# Altium PCB VOU_SOM_CV_V0.0.1.PcbDoc (part 1 of 3)
Units mil, origin at the board's own origin, x right, y up, seen from the top; angles counter-clockwise.
Board outline 6000 x 4000 mil, 2 copper layers (Top Layer, Bottom Layer); 476 components, 641 nets, 2958 pads, 38 vias.
Unrouted connection lines stored in the file: 2178.
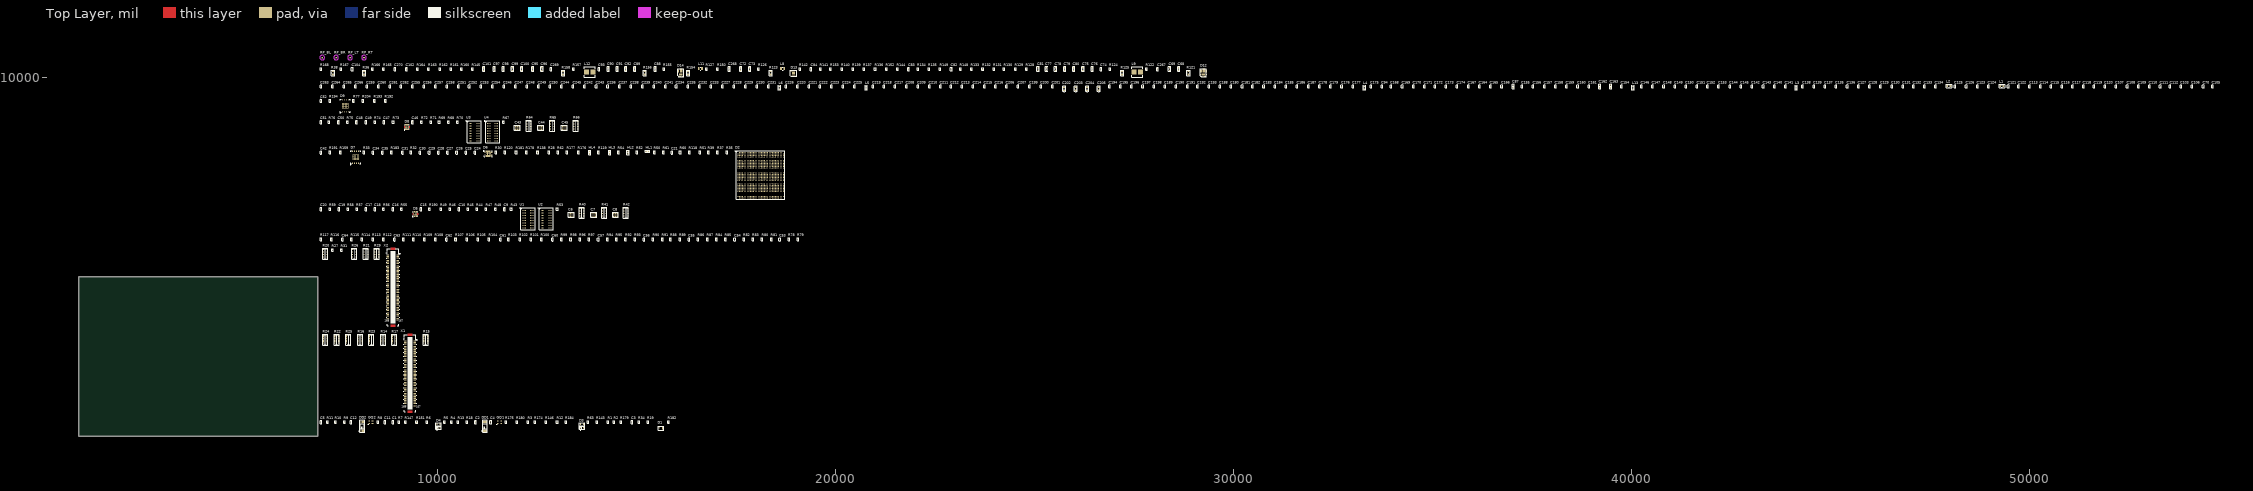
[diagram p0: Top Layer view]
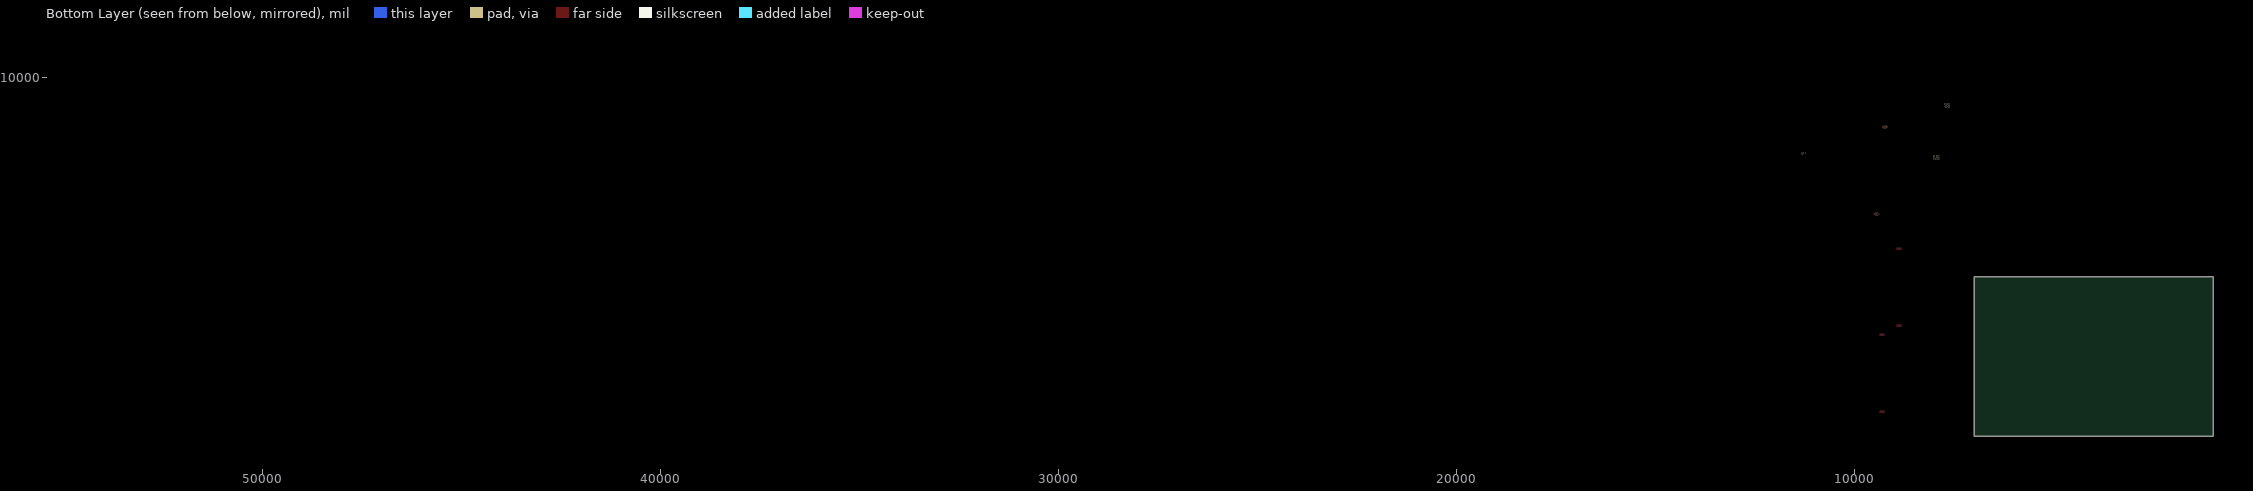
[diagram p1: Bottom Layer view, seen from below]

## Layer stack, top to bottom
Top Solder: solder mask 0.4, Solder Resist, Dk 3.5
Top Layer: signal copper 1.4
Dielectric 1: dielectric 12.6, FR-4, Dk 4.8
Bottom Layer: signal copper 1.4
Bottom Solder: solder mask 0.4, Solder Resist, Dk 3.5

## Board outline
1000,1000 7000,1000 7000,5000 1000,5000

## Design rules (kind name [scope] priority, off if disabled: settings)
Clearance [All] p1: gap=10
DiffPairsRouting [All] p1: maxlimit=10 minlimit=10 mostfreqgap=10 toplayer_minwidth=15 toplayer_maxwidth=15 toplayer_prefwidth=15 bottomlayer_minwidth=15 bottomlayer_maxwidth=15 bottomlayer_prefwidth=15 maxuncoupledlength=500
PolygonConnect [All] p1: connectstyle=Relief reliefconductorwidth=10 reliefentries=4 polygonreliefangle="90 Angle" airgapwidth=10
RoomDefinition VOU_SOM_CV_V0.0.1 [InComponentClass('VOU_SOM_CV_V0.0.1')] p1: confinementstyle=ConfineIn formatcopy=TRUE lockcomponents=FALSE outline 7045,10440 8410,10440 8410,10690 7045,10690
RoomDefinition SoC_pwr_2.SchDoc [InComponentClass('SoC_pwr_2.SchDoc')] p2: confinementstyle=ConfineIn formatcopy=TRUE lockcomponents=FALSE outline 7045,10005 29355,10005 29355,10390 7045,10390
RoomDefinition SoC_pwr_1.SchDoc [InComponentClass('SoC_pwr_1.SchDoc')] p3: confinementstyle=ConfineIn formatcopy=TRUE lockcomponents=FALSE outline 7045,9635 54815,9635 54815,9955 7045,9955
RoomDefinition HPS_IOs.SchDoc [InComponentClass('HPS_IOs.SchDoc')] p4: confinementstyle=ConfineIn formatcopy=TRUE lockcomponents=FALSE outline 7045,9105 8915,9105 8915,9590 7045,9590
RoomDefinition HPS_DDR3.SchDoc [InComponentClass('HPS_DDR3.SchDoc')] p5: confinementstyle=ConfineIn formatcopy=TRUE lockcomponents=FALSE outline 7045,8345 13600,8345 13600,9055 7045,9055
RoomDefinition FPGA_IOs.SchDoc [InComponentClass('FPGA_IOs.SchDoc')] p6: confinementstyle=ConfineIn formatcopy=TRUE lockcomponents=FALSE outline 7045,6915 18770,6915 18770,8295 7045,8295
RoomDefinition FPGA_DDR3&IO.SchDoc [InComponentClass('FPGA_DDR3&IO.SchDoc')] p7: confinementstyle=ConfineIn formatcopy=TRUE lockcomponents=FALSE outline 7045,6160 14860,6160 14860,6870 7045,6870
RoomDefinition DIMS_DSP_MainBoard_Interface.SchDoc [InComponentClass('DIMS_DSP_MainBoard_Interface.SchDoc')] p8: confinementstyle=ConfineIn formatcopy=TRUE lockcomponents=FALSE outline 7045,5890 19230,5890 19230,6110 7045,6110
RoomDefinition Conn_B.SchDoc [InComponentClass('Conn_B.SchDoc')] p9: confinementstyle=ConfineIn formatcopy=TRUE lockcomponents=FALSE outline 7045,3730 9110,3730 9110,5840 7045,5840
RoomDefinition Conn_A.SchDoc [InComponentClass('Conn_A.SchDoc')] p10: confinementstyle=ConfineIn formatcopy=TRUE lockcomponents=FALSE outline 7045,1570 9820,1570 9820,3680 7045,3680
RoomDefinition CLK_src&sys_logic.SchDoc [InComponentClass('CLK_src&sys_logic.SchDoc')] p11: confinementstyle=ConfineIn formatcopy=TRUE lockcomponents=FALSE outline 7045,1065 16025,1065 16025,1520 7045,1520
RoutingVias [All] p1: holewidth=28 width=50 viastyle="Through Hole" minholewidth=28 minwidth=50 maxholewidth=28 maxwidth=50
SolderMaskExpansion [All] p1: expansion=4
Width [All] p1: maxlimit=10 minlimit=10 preferedwidth=10
29 further rules are at their usual default settings.

## Classes and differential pairs
component class VOU_SOM_CV_V0.0.1: RP_BL RP_BR RP_LT RP_RT
component class SoC_pwr_2.SchDoc: C68 C69 C72 C73 C74 C75 C76 C77 C78 C79 C80 C81 C82 C83 C84 C88 C89 C90 C91 C92 C93 C95 C96 C97 C98 C99 C100 C101 C102 C104 C267 C268 C269 C270 D12 D13 D14 L8 L9 L11 L12 R36 R38 R121 R122 R123 R124 R125 R126 R127 R128 R129 R130 R131 R132 R133 R134 R135 R136 R137 R139 R140 R141 R142 R144 R145 R148 R149 R150 R152 R153 R154 R155 R156 R157 R158 R160 R161 R162 R163 R164 R165 R166 R167 R168
component class SoC_pwr_1.SchDoc: C70 C87 C94 C103 C105 C106 C107 C108 C109 C110 C111 C112 C113 C114 C115 C116 C117 C118 C119 C120 C121 C122 C123 C124 C125 C126 C127 C128 C129 C130 C131 C132 C133 C134 C135 C136 C137 C138 C139 C140 C141 C142 C143 C144 C145 C146 C147 C148 C149 C150 C151 C152 C153 C154 C155 C156 C157 C158 C159 C160 C161 C162 C163 C164 C165 C166 C167 C168 C169 C170 C171 C172 C173 C174 C175 C176 C177 C178 C179 C180 C181 C182 C183 C184 C185 C186 C187 C188 C189 C190 C191 C192 C193 C194 C195 C196 C197 C198 C199 C200 C201 C202 C203 C204 C205 C206 C207 C208 C209 C210 C211 C212 C213 C214 C215 C216 C217 C218 C219 C220 C221 C222 C223 C224 C225 C226 C227 C228 C229 C230 C231 C232 C233 C234 C235 C236 C237 C238 C239 C240 C241 C242 C243 C244 C245 C246 C247 C248 C249 C250 C251 C252 C253 C254 C255 C256 C257 C258 C259 C260 C261 C262 C263 C264 C265 C266 L1 L2 L3 L4 L5 L6 L13
component class HPS_IOs.SchDoc: C52 D9 R77 R192 R193 R194 R204
component class HPS_DDR3.SchDoc: C43 C44 C45 C46 C47 C48 C49 C50 C51 D8 R64 R65 R66 R67 R68 R69 R70 R71 R72 R73 R74 R75 R76 U3 U4
component class FPGA_IOs.SchDoc: C21 C24 C25 C26 C27 C28 C29 C30 C31 C34 C35 C42 D2 D6 D7 HL1 HL2 HL3 HL4 R28 R30 R32 R33 R35 R37 R39 R50 R51 R52 R54 R60 R61 R62 R118 R119 R120 R138 R159 R176 R177 R178 R181 R183 R191
component class FPGA_DDR3&IO.SchDoc: C6 C7 C8 C9 C10 C15 C16 C17 C18 C19 C20 D5 R40 R41 R42 R43 R44 R45 R46 R47 R48 R49 R53 R55 R56 R57 R58 R59 R190 U1 U2
component class DIMS_DSP_MainBoard_Interface.SchDoc: C53 C54 C55 C56 C57 C60 C61 C62 C63 C64 R78 R79 R80 R81 R82 R83 R84 R85 R86 R87 R88 R89 R90 R91 R92 R93 R94 R95 R96 R97 R98 R99 R100 R101 R102 R103 R104 R105 R106 R107 R108 R109 R110 R111 R112 R113 R114 R115 R116 R117
component class Conn_B.SchDoc: R20 R21 R26 R27 R29 R31 X2
component class Conn_A.SchDoc: R14 R15 R16 R17 R22 R23 R24 R25 X1
component class CLK_src&sys_logic.SchDoc: C1 C2 C3 C4 C5 C11 C12 D1 D3 D4 DD1 DD2 GQ1 GQ2 R1 R2 R3 R4 R5 R6 R7 R8 R9 R10 R11 R12 R13 R18 R19 R34 R63 R143 R146 R147 R151 R174 R175 R179 R180 R182 R184
differential pair MIPI_CSI_DB3_HS: +MIPI_CSI_DB3_HS_P -MIPI_CSI_DB3_HS_N
differential pair MIPI_CSI_DB2_HS: +MIPI_CSI_DB2_HS_P -MIPI_CSI_DB2_HS_N
differential pair MIPI_CSI_DB1_HS: +MIPI_CSI_DB1_HS_P -MIPI_CSI_DB1_HS_N
differential pair MIPI_CSI_DB0_HS: +MIPI_CSI_DB0_HS_P -MIPI_CSI_DB0_HS_N
differential pair MIPI_CSI_DA3_HS: +MIPI_CSI_DA3_HS_P -MIPI_CSI_DA3_HS_N
differential pair MIPI_CSI_DA2_HS: +MIPI_CSI_DA2_HS_P -MIPI_CSI_DA2_HS_N
differential pair MIPI_CSI_DA1_HS: +MIPI_CSI_DA1_HS_P -MIPI_CSI_DA1_HS_N
differential pair MIPI_CSI_DA0_HS: +MIPI_CSI_DA0_HS_P -MIPI_CSI_DA0_HS_N
differential pair MIPI_CSI_CKB_HS: +MIPI_CSI_CKB_HS_P -MIPI_CSI_CKB_HS_N
differential pair MIPI_CSI_CKA_HS: +MIPI_CSI_CKA_HS_P -MIPI_CSI_CKA_HS_N
differential pair LVDS1_TX3: +LVDS1_TX3_P -LVDS1_TX3_N
differential pair LVDS1_TX2: +LVDS1_TX2_P -LVDS1_TX2_N
differential pair LVDS1_TX1: +LVDS1_TX1_P -LVDS1_TX1_N
differential pair LVDS1_TX0: +LVDS1_TX0_P -LVDS1_TX0_N
differential pair LVDS1_RX3: +LVDS1_RX3_P -LVDS1_RX3_N
differential pair LVDS1_RX2: +LVDS1_RX2_P -LVDS1_RX2_N
differential pair LVDS1_RX1: +LVDS1_RX1_P -LVDS1_RX1_N
differential pair LVDS1_RX0: +LVDS1_RX0_P -LVDS1_RX0_N
differential pair LVDS1_CKO: +LVDS1_CKO_P -LVDS1_CKO_N
differential pair LVDS1_CKI: +LVDS1_CKI_P -LVDS1_CKI_N
differential pair LVDS0_TX3: +LVDS0_TX3_P -LVDS0_TX3_N
differential pair LVDS0_TX2: +LVDS0_TX2_P -LVDS0_TX2_N
differential pair LVDS0_TX1: +LVDS0_TX1_P -LVDS0_TX1_N
differential pair LVDS0_TX0: +LVDS0_TX0_P -LVDS0_TX0_N
differential pair LVDS0_RX3: +LVDS0_RX3_P -LVDS0_RX3_N
differential pair LVDS0_RX2: +LVDS0_RX2_P -LVDS0_RX2_N
differential pair LVDS0_RX1: +LVDS0_RX1_P -LVDS0_RX1_N
differential pair LVDS0_RX0: +LVDS0_RX0_P -LVDS0_RX0_N
differential pair LVDS0_CKO: +LVDS0_CKO_P -LVDS0_CKO_N
differential pair LVDS0_CKI: +LVDS0_CKI_P -LVDS0_CKI_N
differential pair HPS_DDR_DQS3: +HPS_DDR_DQS3_P -HPS_DDR_DQS3_N
differential pair HPS_DDR_DQS2: +HPS_DDR_DQS2_P -HPS_DDR_DQS2_N
differential pair HPS_DDR_DQS1: +HPS_DDR_DQS1_P -HPS_DDR_DQS1_N
differential pair HPS_DDR_DQS0: +HPS_DDR_DQS0_P -HPS_DDR_DQS0_N
differential pair HPS_DDR_CK_H: +HPS_DDR_CK_H_P -HPS_DDR_CK_H_N
differential pair GXB_TXA_C3: +GXB_TXA_C3_P -GXB_TXA_C3_N
differential pair GXB_TXA_C2: +GXB_TXA_C2_P -GXB_TXA_C2_N
differential pair GXB_TXA_C1: +GXB_TXA_C1_P -GXB_TXA_C1_N
differential pair GXB_TXA_C0: +GXB_TXA_C0_P -GXB_TXA_C0_N
differential pair GXB_TXA3: +GXB_TXA3_P -GXB_TXA3_N
differential pair GXB_TXA2: +GXB_TXA2_P -GXB_TXA2_N
differential pair GXB_TXA1: +GXB_TXA1_P -GXB_TXA1_N
differential pair GXB_TXA0: +GXB_TXA0_P -GXB_TXA0_N
differential pair GXB_RXA3: +GXB_RXA3_P -GXB_RXA3_N
differential pair GXB_RXA2: +GXB_RXA2_P -GXB_RXA2_N
differential pair GXB_RXA1: +GXB_RXA1_P -GXB_RXA1_N
differential pair GXB_RXA0: +GXB_RXA0_P -GXB_RXA0_N
differential pair GXB_REF_CKO: +GXB_REF_CKO_P -GXB_REF_CKO_N
differential pair GXB_REF_CKI: +GXB_REF_CKI_P -GXB_REF_CKI_N
differential pair FPGA_DDR_DQS3: +FPGA_DDR_DQS3_P -FPGA_DDR_DQS3_N
differential pair FPGA_DDR_DQS2: +FPGA_DDR_DQS2_P -FPGA_DDR_DQS2_N
differential pair FPGA_DDR_DQS1: +FPGA_DDR_DQS1_P -FPGA_DDR_DQS1_N
differential pair FPGA_DDR_DQS0: +FPGA_DDR_DQS0_P -FPGA_DDR_DQS0_N
differential pair FPGA_DDR_CK_H: +FPGA_DDR_CK_H_P -FPGA_DDR_CK_H_N

## Components (designator, comment, footprint, x,y, rotation, side; value= is the part's Value field where it differs from the comment)
C1 "CC0402-X7R-0,1 мкФ-20%-10В" CC0402(1005) 8890,1350 r90 top
C2 "CC0402-X7R-0,01 мкФ-10%-50В" CC0402(1005) 10970,1350 r90 top
C3 "CC0402-X7R-0,1 мкФ-20%-10В" CC0402(1005) 14900,1350 r90 top
C4 "CC0402-X7R-0,01 мкФ-10%-50В" CC0402(1005) 11350,1350 r90 top
C5 "CC0402-X7R-0,1 мкФ-20%-10В" CC0402(1005) 7080,1350 r90 top
C6 "W3A4YC104KAT2A" CAF-80P319X159-8N 13370,6560 r90 top
C7 "W3A4YC104KAT2A" CAF-80P319X159-8N 13935,6560 r90 top
C8 "W3A4YC104KAT2A" CAF-80P319X159-8N 14485,6560 r90 top
C9 "CC0402-X7R-0,1 мкФ-20%-10В" CC0402(1005) 11695,6700 r90 top
C10 "CC0402-X7R-0,1 мкФ-20%-10В" CC0402(1005) 10555,6700 r90 top
C11 "CC0402-X7R-0,01 мкФ-10%-50В" CC0402(1005) 8690,1350 r90 top
C12 "CC0402-X7R-0,01 мкФ-10%-50В" CC0402(1005) 7840,1350 r90 top
C15 "CC0402-X7R-0,1 мкФ-20%-10В" CC0402(1005) 9595,6700 r90 top
C16 "CC0402-X5R-22 мкФ-20%-6.3В" CC0402(1005) 8890,6700 r90 top
C17 "CC0402-X5R-22 мкФ-20%-6.3В" CC0402(1005) 8220,6700 r90 top
C18 "CC0402-X5R-22 мкФ-20%-6.3В" CC0402(1005) 8440,6700 r90 top
C19 "CC0402-X5R-22 мкФ-20%-6.3В" CC0402(1005) 7540,6700 r90 top
C20 "CC0402-NP01000 пФ-1%-50В" CC0402(1005) 7080,6700 r90 top
C21 "CC0402-X7R-0,1 мкФ-20%-10В" CC0402(1005) 15900,8125 r90 top
C24 "CC0402-X7R-0,1 мкФ-20%-10В" CC0402(1005) 10955,8125 r90 top
C25 "CC0402-X7R-0,1 мкФ-20%-10В" CC0402(1005) 10725,8125 r90 top
C26 "CC0402-X7R-0,1 мкФ-20%-10В" CC0402(1005) 10495,8125 r90 top
C27 "CC0402-X7R-0,1 мкФ-20%-10В" CC0402(1005) 10265,8125 r90 top
C28 "CC0402-X7R-0,1 мкФ-20%-10В" CC0402(1005) 10035,8125 r90 top
C29 "CC0402-X7R-0,1 мкФ-20%-10В" CC0402(1005) 9805,8125 r90 top
C30 "CC0402-X7R-0,1 мкФ-20%-10В" CC0402(1005) 9575,8125 r90 top
C31 "CC0402-X7R-0,1 мкФ-20%-10В" CC0402(1005) 9135,8125 r90 top
C34 "CC0402-X7R-0,1 мкФ-20%-10В" CC0402(1005) 8395,8125 r90 top
C35 "CC0402-X7R-0,1 мкФ-20%-10В" CC0402(1005) 8625,8125 r90 top
C42 "CC0402-X7R-0,1 мкФ-20%-10В" CC0402(1005) 7080,8125 r90 top
C43 "W3A4YC104KAT2A" CAF-80P319X159-8N 12020,8745 r90 top
C44 "W3A4YC104KAT2A" CAF-80P319X159-8N 12610,8745 r90 top
C45 "W3A4YC104KAT2A" CAF-80P319X159-8N 13200,8745 r90 top
C46 "CC0402-X7R-0,1 мкФ-20%-10В" CC0402(1005) 9385,8885 r90 top
C47 "CC0402-X5R-4.7 мкФ-20%-6.3В" CC0402(1005) 8670,8885 r90 top
C48 "CC0402-X5R-22 мкФ-20%-6.3В" CC0402(1005) 7980,8885 r90 top
C49 "CC0402-X5R-22 мкФ-20%-6.3В" CC0402(1005) 8210,8885 r90 top
C50 "CC0402-X5R-22 мкФ-20%-6.3В" CC0402(1005) 7520,8885 r90 top
C51 "CC0402-NP01000 пФ-1%-50В" CC0402(1005) 7080,8885 r90 top
C52 "CC0402-X7R-0,1 мкФ-20%-10В" CC0402(1005) 7080,9420 r90 top
C53 "CC0402-NP0-100 пФ-1%-50В" CC0402(1005) 18610,5940 r90 top
C54 "CC0402-NP0-100 пФ-1%-50В" CC0402(1005) 17480,5940 r90 top
C55 "CC0402-NP0-100 пФ-1%-50В" CC0402(1005) 16330,5940 r90 top
C56 "CC0402-NP0-100 пФ-1%-50В" CC0402(1005) 15200,5940 r90 top
C57 "CC0402-NP0-100 пФ-1%-50В" CC0402(1005) 14050,5940 r90 top
C60 "CC0402-NP0-100 пФ-1%-50В" CC0402(1005) 12900,5940 r90 top
C61 "CC0402-NP0-100 пФ-1%-50В" CC0402(1005) 11590,5940 r90 top
C62 "CC0402-NP0-100 пФ-1%-50В" CC0402(1005) 10240,5940 r90 top
C63 "CC0402-NP0-100 пФ-1%-50В" CC0402(1005) 8930,5940 r90 top
C64 "CC0402-NP0-100 пФ-1%-50В" CC0402(1005) 7620,5940 r90 top
C68 "CC0603-X5R-47 мкФ-20%-6,3В" CC0603 28635,10220 r90 top
C69 "CC0603-X5R-47 мкФ-20%-6,3В" CC0603 28405,10220 r90 top
C70 "CC0402-X7R-0,1 мкФ-20%-10В" CC0402(1005) 54375,9785 r90 top
C72 "CC0603-X5R-22 мкФ-20%-6,3В" CC0603 17630,10220 r90 top
C73 "CC0603-X5R-22 мкФ-20%-6,3В" CC0603 17860,10220 r90 top
C74 "CC0402-X7R-2200 пФ-10%-16В" CC0402(1005) 26680,10220 r90 top
C75 "CC0603-X5R-22 мкФ-20%-6,3В" CC0603 26230,10220 r90 top
C76 "CC0603-X5R-22 мкФ-20%-6,3В" CC0603 26460,10220 r90 top
C77 "CC0603-X5R-22 мкФ-20%-6,3В" CC0603 25310,10220 r90 top
C78 "CC0603-X5R-22 мкФ-20%-6,3В" CC0603 25540,10220 r90 top
C79 "CC0603-X5R-22 мкФ-20%-6,3В" CC0603 25770,10220 r90 top
C80 "CC0603-X5R-22 мкФ-20%-6,3В" CC0603 26000,10220 r90 top
C81 "CC0603-X5R-1 мкФ-10%-25В" CC0603 25100,10220 r90 top
C82 "CC0402-X7R-0,1 мкФ-20%-10В" CC0402(1005) 22920,10220 r90 top
C83 "CC0402-X7R-0,01 мкФ-10%-50В" CC0402(1005) 21850,10220 r90 top
C84 "CC0402-NP0-270 пФ-1%-50В" CC0402(1005) 19400,10220 r90 top
C87 "CC0603-X5R-22 мкФ-20%-6,3В" CC0603 37040,9785 r90 top
C88 "CC0603-X5R-22 мкФ-20%-6,3В" CC0603 15480,10220 r90 top
C89 "CC0603-X5R-47 мкФ-20%-6,3В" CC0603 14970,10220 r90 top
C90 "CC0603-X5R-47 мкФ-20%-6,3В" CC0603 14300,10220 r90 top
C91 "CC0603-X5R-22 мкФ-20%-6,3В" CC0603 14530,10220 r90 top
C92 "CC0603-X5R-22 мкФ-20%-6,3В" CC0603 14740,10220 r90 top
C93 "CC0402-X7R-0,1 мкФ-20%-10В" CC0402(1005) 14065,10220 r90 top
C94 "CC0402-X7R-4700 пФ-10%-50В" CC0402(1005) 33740,9785 r90 top
C95 "CC0603-X5R-22 мкФ-20%-6,3В" CC0603 12405,10220 r90 top
C96 "CC0603-X5R-22 мкФ-20%-6,3В" CC0603 12635,10220 r90 top
C97 "CC0603-X5R-22 мкФ-20%-6,3В" CC0603 11435,10220 r90 top
C98 "CC0603-X5R-22 мкФ-20%-6,3В" CC0603 11665,10220 r90 top
C99 "CC0603-X5R-22 мкФ-20%-6,3В" CC0603 11895,10220 r90 top
C100 "CC0603-X5R-22 мкФ-20%-6,3В" CC0603 12125,10220 r90 top
C101 "CC0603-X5R-1 мкФ-10%-25В" CC0603 11175,10220 r90 top
C102 "CC0402-X7R-0,1 мкФ-20%-10В" CC0402(1005) 9230,10220 r90 top
C103 "CC0402-X7R-0,01 мкФ-10%-50В" CC0402(1005) 53815,9785 r90 top
C104 "CC0402-NP0-270 пФ-1%-50В" CC0402(1005) 7870,10220 r90 top
C105 "CC0402-X7R-0,1 мкФ-20%-10В" CC0402(1005) 54605,9785 r90 top
C106 "CC0402-X7R-0,01 мкФ-10%-50В" CC0402(1005) 54095,9785 r90 top
C107 "CC0402-X7R-0,01 мкФ-10%-50В" CC0402(1005) 52185,9785 r90 top
C108 "CC0402-X7R-0,01 мкФ-10%-50В" CC0402(1005) 52465,9785 r90 top
C109 "CC0402-X7R-0,01 мкФ-10%-50В" CC0402(1005) 52745,9785 r90 top
C110 "CC0402-X7R-0,1 мкФ-20%-10В" CC0402(1005) 53025,9785 r90 top
C111 "CC0402-X7R-0,1 мкФ-20%-10В" CC0402(1005) 53295,9785 r90 top
C112 "CC0402-X7R-0,01 мкФ-10%-50В" CC0402(1005) 53545,9785 r90 top
C113 "CC0402-X7R-0,01 мкФ-10%-50В" CC0402(1005) 50015,9785 r90 top
C114 "CC0402-X7R-0,01 мкФ-10%-50В" CC0402(1005) 50285,9785 r90 top
C115 "CC0402-X7R-0,01 мкФ-10%-50В" CC0402(1005) 50555,9785 r90 top
C116 "CC0402-X7R-0,01 мкФ-10%-50В" CC0402(1005) 50825,9785 r90 top
C117 "CC0402-X7R-0,01 мкФ-10%-50В" CC0402(1005) 51095,9785 r90 top
C118 "CC0402-X7R-0,01 мкФ-10%-50В" CC0402(1005) 51365,9785 r90 top
C119 "CC0402-X7R-0,01 мкФ-10%-50В" CC0402(1005) 51635,9785 r90 top
C120 "CC0402-X7R-0,01 мкФ-10%-50В" CC0402(1005) 51905,9785 r90 top
C121 "CC0402-X7R-0,01 мкФ-10%-50В" CC0402(1005) 49475,9785 r90 top
C122 "CC0402-X7R-0,01 мкФ-10%-50В" CC0402(1005) 49735,9785 r90 top
C123 "CC0402-X7R-0,1 мкФ-20%-10В" CC0402(1005) 48700,9785 r90 top
C124 "CC0402-X7R-0,1 мкФ-20%-10В" CC0402(1005) 48980,9785 r90 top
C125 "CC0402-X7R-0,01 мкФ-10%-50В" CC0402(1005) 48140,9785 r90 top
C126 "CC0402-X7R-0,01 мкФ-10%-50В" CC0402(1005) 48420,9785 r90 top
C127 "CC0402-X7R-0,01 мкФ-10%-50В" CC0402(1005) 45710,9785 r90 top
C128 "CC0402-X7R-0,01 мкФ-10%-50В" CC0402(1005) 45990,9785 r90 top
C129 "CC0402-X7R-0,01 мкФ-10%-50В" CC0402(1005) 46270,9785 r90 top
C130 "CC0402-X7R-0,01 мкФ-10%-50В" CC0402(1005) 46550,9785 r90 top
C131 "CC0402-X7R-0,01 мкФ-10%-50В" CC0402(1005) 46830,9785 r90 top
C132 "CC0402-X7R-0,01 мкФ-10%-50В" CC0402(1005) 47090,9785 r90 top
C133 "CC0402-X7R-0,01 мкФ-10%-50В" CC0402(1005) 47370,9785 r90 top
C134 "CC0402-X7R-0,01 мкФ-10%-50В" CC0402(1005) 47650,9785 r90 top
C135 "CC0402-X7R-0,01 мкФ-10%-50В" CC0402(1005) 45150,9785 r90 top
C136 "CC0402-X7R-0,01 мкФ-10%-50В" CC0402(1005) 45430,9785 r90 top
C137 "CC0402-X7R-0,01 мкФ-10%-50В" CC0402(1005) 44870,9785 r90 top
C138 "CC0402-X7R-0,1 мкФ-20%-10В" CC0402(1005) 44310,9785 r90 top
C139 "CC0402-X7R-0,1 мкФ-20%-10В" CC0402(1005) 44590,9785 r90 top
C140 "CC0402-X7R-0,01 мкФ-10%-50В" CC0402(1005) 43600,9785 r90 top
C141 "CC0402-X7R-0,01 мкФ-10%-50В" CC0402(1005) 43880,9785 r90 top
C142 "CC0402-X7R-0,01 мкФ-10%-50В" CC0402(1005) 43040,9785 r90 top
C143 "CC0402-X7R-0,01 мкФ-10%-50В" CC0402(1005) 43320,9785 r90 top
C144 "CC0402-X7R-0,01 мкФ-10%-50В" CC0402(1005) 42480,9785 r90 top
C145 "CC0402-X7R-0,01 мкФ-10%-50В" CC0402(1005) 42760,9785 r90 top
C146 "CC0402-X7R-0,01 мкФ-10%-50В" CC0402(1005) 40260,9785 r90 top
C147 "CC0402-X7R-0,01 мкФ-10%-50В" CC0402(1005) 40540,9785 r90 top
C148 "CC0402-X7R-0,01 мкФ-10%-50В" CC0402(1005) 40820,9785 r90 top
C149 "CC0402-X7R-0,01 мкФ-10%-50В" CC0402(1005) 41100,9785 r90 top
C150 "CC0402-X7R-0,01 мкФ-10%-50В" CC0402(1005) 41380,9785 r90 top
C151 "CC0402-X7R-0,01 мкФ-10%-50В" CC0402(1005) 41660,9785 r90 top
C152 "CC0402-X7R-0,01 мкФ-10%-50В" CC0402(1005) 41920,9785 r90 top
C153 "CC0402-X7R-0,01 мкФ-10%-50В" CC0402(1005) 42200,9785 r90 top
C154 "CC0402-X7R-0,01 мкФ-10%-50В" CC0402(1005) 39760,9785 r90 top
C155 "CC0402-X7R-0,01 мкФ-10%-50В" CC0402(1005) 37260,9785 r90 top
C156 "CC0402-X7R-0,01 мкФ-10%-50В" CC0402(1005) 37540,9785 r90 top
C157 "CC0402-X7R-0,01 мкФ-10%-50В" CC0402(1005) 37820,9785 r90 top
C158 "CC0402-X7R-0,01 мкФ-10%-50В" CC0402(1005) 38100,9785 r90 top
C159 "CC0402-X7R-0,01 мкФ-10%-50В" CC0402(1005) 38380,9785 r90 top
C160 "CC0402-X7R-0,1 мкФ-20%-10В" CC0402(1005) 38660,9785 r90 top
C161 "CC0402-X7R-0,1 мкФ-20%-10В" CC0402(1005) 38940,9785 r90 top
C162 "CC0603-X5R-22 мкФ-20%-6,3В" CC0603 39210,9785 r90 top
C163 "CC0603-X5R-22 мкФ-20%-6,3В" CC0603 39490,9785 r90 top
C164 "CC0402-X7R-0,01 мкФ-10%-50В" CC0402(1005) 36190,9785 r90 top
C165 "CC0402-X7R-0,01 мкФ-10%-50В" CC0402(1005) 36470,9785 r90 top
C166 "CC0402-X7R-0,1 мкФ-20%-10В" CC0402(1005) 36750,9785 r90 top
C167 "CC0402-X7R-0,01 мкФ-10%-50В" CC0402(1005) 35910,9785 r90 top
C168 "CC0402-X7R-4700 пФ-10%-50В" CC0402(1005) 33970,9785 r90 top
C169 "CC0402-X7R-4700 пФ-10%-50В" CC0402(1005) 34250,9785 r90 top
C170 "CC0402-X7R-4700 пФ-10%-50В" CC0402(1005) 34530,9785 r90 top
C171 "CC0402-X7R-4700 пФ-10%-50В" CC0402(1005) 34810,9785 r90 top
C172 "CC0402-X7R-4700 пФ-10%-50В" CC0402(1005) 35070,9785 r90 top
C173 "CC0402-X7R-4700 пФ-10%-50В" CC0402(1005) 35350,9785 r90 top
C174 "CC0402-X7R-4700 пФ-10%-50В" CC0402(1005) 35630,9785 r90 top
C175 "CC0402-X7R-0,01 мкФ-10%-50В" CC0402(1005) 33460,9785 r90 top
C176 "CC0402-X7R-0,1 мкФ-20%-10В" CC0402(1005) 32730,9785 r90 top
C177 "CC0402-X7R-0,1 мкФ-20%-10В" CC0402(1005) 33010,9785 r90 top
C178 "CC0402-X7R-0,01 мкФ-10%-50В" CC0402(1005) 32170,9785 r90 top
C179 "CC0402-X7R-0,01 мкФ-10%-50В" CC0402(1005) 32450,9785 r90 top
C180 "CC0402-X7R-4700 пФ-10%-50В" CC0402(1005) 29950,9785 r90 top
C181 "CC0402-X7R-4700 пФ-10%-50В" CC0402(1005) 30230,9785 r90 top
C182 "CC0402-X7R-4700 пФ-10%-50В" CC0402(1005) 30490,9785 r90 top
C183 "CC0402-X7R-4700 пФ-10%-50В" CC0402(1005) 30770,9785 r90 top
C184 "CC0402-X7R-4700 пФ-10%-50В" CC0402(1005) 31050,9785 r90 top
C185 "CC0402-X7R-4700 пФ-10%-50В" CC0402(1005) 31330,9785 r90 top
C186 "CC0402-X7R-4700 пФ-10%-50В" CC0402(1005) 31610,9785 r90 top
C187 "CC0402-X7R-4700 пФ-10%-50В" CC0402(1005) 31890,9785 r90 top
C188 "CC0402-X7R-0,01 мкФ-10%-50В" CC0402(1005) 29670,9785 r90 top
C189 "CC0402-X7R-0.047 мкФ-10%-50В" CC0402(1005) 28290,9785 r90 top
C190 "CC0402-X7R-0.047 мкФ-10%-50В" CC0402(1005) 28570,9785 r90 top
C191 "CC0402-X7R-0.047 мкФ-10%-50В" CC0402(1005) 28850,9785 r90 top
C192 "CC0402-X7R-0.047 мкФ-10%-50В" CC0402(1005) 29110,9785 r90 top
C193 "CC0402-X7R-0.047 мкФ-10%-50В" CC0402(1005) 29390,9785 r90 top
C194 "CC0402-X7R-0,01 мкФ-10%-50В" CC0402(1005) 26890,9785 r90 top
C195 "CC0402-X7R-0,01 мкФ-10%-50В" CC0402(1005) 27170,9785 r90 top
C196 "CC0402-X7R-0,01 мкФ-10%-50В" CC0402(1005) 27450,9785 r90 top
C197 "CC0402-X7R-0,1 мкФ-20%-10В" CC0402(1005) 27730,9785 r90 top
C198 "CC0402-X7R-0,1 мкФ-20%-10В" CC0402(1005) 28010,9785 r90 top
C199 "CC0402-X5R-10 мкФ-20%-6.3В" CC0402(1005) 24890,9785 r90 top
C200 "CC0402-X5R-10 мкФ-20%-6.3В" CC0402(1005) 25170,9785 r90 top
C201 "CC0402-X5R-10 мкФ-20%-6.3В" CC0402(1005) 25460,9785 r90 top
C202 "CC0805-X5R-100 мкФ-20%-4В" CC0805 25755,9725 r90 top
C203 "CC0805-X5R-100 мкФ-20%-4В" CC0805 26045,9725 r90 top
C204 "CC0805-X5R-100 мкФ-20%-4В" CC0805 26335,9725 r90 top
C205 "CC0805-X5R-100 мкФ-20%-4В" CC0805 26625,9725 r90 top
C206 "CC0402-X7R-0,01 мкФ-10%-50В" CC0402(1005) 24310,9785 r90 top
C207 "CC0402-X7R-0,01 мкФ-10%-50В" CC0402(1005) 24600,9785 r90 top
C208 "CC0402-X7R-0,01 мкФ-10%-50В" CC0402(1005) 21790,9785 r90 top
C209 "CC0402-X7R-0,01 мкФ-10%-50В" CC0402(1005) 22080,9785 r90 top
C210 "CC0402-X7R-0,1 мкФ-20%-10В" CC0402(1005) 22370,9785 r90 top
C211 "CC0402-X7R-0,1 мкФ-20%-10В" CC0402(1005) 22650,9785 r90 top
C212 "CC0402-X7R-0,1 мкФ-20%-10В" CC0402(1005) 22910,9785 r90 top
C213 "CC0402-X7R-0,22 мкФ-10%-6.3В" CC0402(1005) 23190,9785 r90 top
C214 "CC0402-X7R-0,22 мкФ-10%-6.3В" CC0402(1005) 23470,9785 r90 top
C215 "CC0402-X7R-0,47 мкФ-10%-6.3В" CC0402(1005) 23750,9785 r90 top
C216 "CC0402-X5R-1 мкФ-10%-6.3В" CC0402(1005) 24030,9785 r90 top
C217 "CC0402-X7R-0,01 мкФ-10%-50В" CC0402(1005) 21510,9785 r90 top
C218 "CC0402-X7R-0,01 мкФ-10%-50В" CC0402(1005) 21230,9785 r90 top
C219 "CC0402-X7R-0,01 мкФ-10%-50В" CC0402(1005) 20950,9785 r90 top
C220 "CC0402-X7R-0,01 мкФ-10%-50В" CC0402(1005) 19060,9785 r90 top
C221 "CC0402-X7R-0,01 мкФ-10%-50В" CC0402(1005) 19350,9785 r90 top
C222 "CC0402-X7R-0,01 мкФ-10%-50В" CC0402(1005) 19620,9785 r90 top
C223 "CC0402-X7R-0,1 мкФ-20%-10В" CC0402(1005) 19910,9785 r90 top
C224 "CC0402-X7R-0,1 мкФ-20%-10В" CC0402(1005) 20200,9785 r90 top
C225 "CC0402-X7R-0,1 мкФ-20%-10В" CC0402(1005) 20490,9785 r90 top
C226 "CC0402-X7R-0,01 мкФ-10%-50В" CC0402(1005) 18770,9785 r90 top
C227 "CC0402-X7R-4700 пФ-10%-50В" CC0402(1005) 17170,9785 r90 top
C228 "CC0402-X7R-4700 пФ-10%-50В" CC0402(1005) 17460,9785 r90 top
C229 "CC0402-X7R-0,22 мкФ-10%-6.3В" CC0402(1005) 17750,9785 r90 top
C230 "CC0402-X7R-0,22 мкФ-10%-6.3В" CC0402(1005) 18040,9785 r90 top
C231 "CC0402-X7R-0,47 мкФ-10%-6.3В" CC0402(1005) 18330,9785 r90 top
C232 "CC0402-X7R-0,1 мкФ-20%-10В" CC0402(1005) 16590,9785 r90 top
C233 "CC0402-X7R-0,1 мкФ-20%-10В" CC0402(1005) 16880,9785 r90 top
C234 "CC0402-X7R-0,01 мкФ-10%-50В" CC0402(1005) 16010,9785 r90 top
C235 "CC0402-X7R-0,01 мкФ-10%-50В" CC0402(1005) 16300,9785 r90 top
C236 "CC0402-X7R-0,01 мкФ-10%-50В" CC0402(1005) 14290,9785 r90 top
C237 "CC0402-X7R-0,01 мкФ-10%-50В" CC0402(1005) 14580,9785 r90 top
C238 "CC0402-X7R-0,01 мкФ-10%-50В" CC0402(1005) 14870,9785 r90 top
C239 "CC0402-X7R-0,1 мкФ-20%-10В" CC0402(1005) 15160,9785 r90 top
C240 "CC0402-X7R-0,1 мкФ-20%-10В" CC0402(1005) 15450,9785 r90 top
C241 "CC0402-X7R-0,1 мкФ-20%-10В" CC0402(1005) 15740,9785 r90 top
C242 "CC0402-X7R-0,1 мкФ-20%-10В" CC0402(1005) 13710,9785 r90 top
C243 "CC0402-X7R-0,1 мкФ-20%-10В" CC0402(1005) 14000,9785 r90 top
C244 "CC0402-X7R-0,01 мкФ-10%-50В" CC0402(1005) 13130,9785 r90 top
C245 "CC0402-X7R-0,01 мкФ-10%-50В" CC0402(1005) 13420,9785 r90 top
C246 "CC0402-X7R-4700 пФ-10%-50В" CC0402(1005) 11680,9785 r90 top
C247 "CC0402-X7R-4700 пФ-10%-50В" CC0402(1005) 11970,9785 r90 top
C248 "CC0402-X7R-0,22 мкФ-10%-6.3В" CC0402(1005) 12260,9785 r90 top
C249 "CC0402-X7R-0,22 мкФ-10%-6.3В" CC0402(1005) 12550,9785 r90 top
C250 "CC0402-X7R-0,47 мкФ-10%-6.3В" CC0402(1005) 12840,9785 r90 top
C251 "CC0402-X7R-0,1 мкФ-20%-10В" CC0402(1005) 10540,9785 r90 top
C252 "CC0402-X7R-0,1 мкФ-20%-10В" CC0402(1005) 10810,9785 r90 top
C253 "CC0402-X7R-0,1 мкФ-20%-10В" CC0402(1005) 11100,9785 r90 top
C254 "CC0402-X7R-0,22 мкФ-10%-6.3В" CC0402(1005) 11390,9785 r90 top
C255 "CC0402-X7R-0,01 мкФ-10%-50В" CC0402(1005) 9380,9785 r90 top
C256 "CC0402-X7R-0,01 мкФ-10%-50В" CC0402(1005) 9670,9785 r90 top
C257 "CC0402-X7R-0,01 мкФ-10%-50В" CC0402(1005) 9960,9785 r90 top
C258 "CC0402-X7R-0,01 мкФ-10%-50В" CC0402(1005) 10250,9785 r90 top
C259 "CC0402-X7R-0,1 мкФ-20%-10В" CC0402(1005) 8240,9785 r90 top
C260 "CC0402-X7R-0,1 мкФ-20%-10В" CC0402(1005) 8530,9785 r90 top
C261 "CC0402-X7R-0,1 мкФ-20%-10В" CC0402(1005) 8820,9785 r90 top
C262 "CC0402-X7R-0,22 мкФ-10%-6.3В" CC0402(1005) 9090,9785 r90 top
C263 "CC0402-X7R-0,01 мкФ-10%-50В" CC0402(1005) 7080,9785 r90 top
C264 "CC0402-X7R-0,01 мкФ-10%-50В" CC0402(1005) 7370,9785 r90 top
C265 "CC0402-X7R-0,01 мкФ-10%-50В" CC0402(1005) 7660,9785 r90 top
C266 "CC0402-X7R-0,01 мкФ-10%-50В" CC0402(1005) 7950,9785 r90 top
C267 "CC0402-X7R-0,1 мкФ-20%-10В" CC0402(1005) 28105,10220 r90 top
C268 "CC0603-X5R-22 мкФ-20%-6,3В" CC0603 17340,10220 r90 top
C269 "CC0402-X7R-2200 пФ-10%-16В" CC0402(1005) 12860,10220 r90 top
C270 "CC0402-X7R-0,01 мкФ-10%-50В" CC0402(1005) 8940,10220 r90 top
D1 "SN74LVC2G07DCKR" DCKR 15635,1175 r90 top
D2 "5CSXFC6D6F31I7N" ALTR-FBGA896_A-200 18130,7555 r0 top
D3 "ADM811TARTZ" SOT-143 13640,1255 r90 top
D4 "ADM811TARTZ" SOT-143 10040,1255 r90 top
D5 "TPS51200DRCR" TI-DRC10-2400X1650TP_V 9455,6580 r90 top
D6 "TXS0108ERGYR" QFN50P450X350X100_HS-21N 11290,8095 r0 top
D7 "MT25QL512ABB1EW9-0SIT" SON127P800X80_HS-9N 7955,8005 r90 top
D8 "TPS51200DRCR" TI-DRC10-2400X1650TP_V 9245,8765 r90 top
D9 "MT25QL512ABB1EW9-0SIT" SON127P800X80_HS-9N 7695,9300 r90 top
D12 "IR3859MTRPBF" IR3859 29195,10035 r90 top
D13 "RT8012AGQW" RT8012AGQW 18920,10055 r90 top
D14 "IR3859MTRPBF" IR3859 16060,10035 r90 top
DD1 "CDCLVC1104PWR" TSSOP-8 11205,1250 r90 top
DD2 "CDCLVC1104PWR" TSSOP-8 8125,1250 r90 top
GQ1 "ASEMB-50.000MHZ-XY-T" DFN210P320X100-4N 11570,1350 r0 top
GQ2 "ASEMB-25.000MHZ-XY-T" DFN210P320X100-4N 8340,1350 r0 top
HL1 "KPT-1608SURC" LED0603_Red 15290,8155 r0 top
HL2 "KPT-1608SYC" LED0603_Yellow 14800,8125 r90 top
HL3 "KPT-1608ZGC" LED0603_GREEN 14340,8125 r90 top
HL4 "KPT-1608ZGC" LED0603_GREEN 13840,8125 r90 top
L1 "MH1608-600Y" CL0805 49315,9795 r0 top
L2 "MH1608-600Y" CL0805 47985,9795 r0 top
L3 "BLM18PG-60 Ом" CL0603 44150,9750 r90 top
L4 "BLM18PG-60 Ом" CL0603 33300,9750 r90 top
L5 "BLM18PG-60 Ом" CL0603 20785,9750 r90 top
L6 "BLM18PG-60 Ом" CL0603 18605,9750 r90 top
L8 "IHHP1008AZER1R5M01" INDC2720X12L 18685,10235 r0 top
L9 "IHLP2525CZERR68M01" INDP6965X30L 27595,10150 r0 top
L11 "IHHP1008AZER1R5M01" INDC2720X12L 16615,10235 r0 top
L12 "IHLP2525CZERR33M01" INDP6965X30L 13835,10150 r0 top
L13 "BLM18PG-60 Ом" CL0603 40050,9750 r90 top
R1 "CR0402-10 кОм-±5%" CR0402(1005) 14300,1355 r90 top
R2 "CR0402-10 кОм-±5%" CR0402(1005) 14450,1355 r90 top
R3 "CR0402-4.7 кОм-±5%" CR0402(1005) 12290,1355 r90 top
R4 "CR0402-22 Ом-±5%" CR0402(1005) 10360,1355 r90 top
R5 "CR0402-22 Ом-±5%" CR0402(1005) 10190,1355 r90 top
R6 "CR0402-22 Ом-±5%" CR0402(1005) 9750,1355 r90 top
R7 "CR0402-22 Ом-±5%" CR0402(1005) 9040,1355 r90 top
R8 "CR0402-4.7 кОм-±5%" CR0402(1005) 8520,1355 r90 top
R9 "CR0402-22 Ом-±5%" CR0402(1005) 7670,1355 r90 top
R10 "CR0402-22 Ом-±5%" CR0402(1005) 7450,1355 r90 top
R11 "CR0402-22 Ом-±5%" CR0402(1005) 7250,1355 r90 top
R12 "CR0402-0 Ом-±5%" CR0402(1005) 13020,1355 r90 top
R13 "CR0402-10 кОм-±5%" CR0402(1005) 10530,1355 r90 top
R14 "YC248-JR-07-22 Ом" CAT16-J8 8645,3420 r90 top
R15 "YC248-JR-07-22 Ом" CAT16-J8 9715,3420 r90 top
R16 "YC248-JR-07-22 Ом" CAT16-J8 8065,3420 r90 top
R17 "YC248-JR-07-22 Ом" CAT16-J8 8925,3420 r90 top
R18 "CR0402-10 кОм-±5%" CR0402(1005) 10750,1355 r90 top
R19 "CR0402-0 Ом-±5%" CR0402(1005) 15300,1355 r90 top
R20 "YC248-JR-07-22 Ом" CAT16-J8 7190,5580 r90 top
R21 "YC248-JR-07-22 Ом" CAT16-J8 8215,5580 r90 top
R22 "YC248-JR-07-VALUE" CAT16-J8 7480,3420 r90 top
R23 "YC248-JR-07-22 Ом" CAT16-J8 8350,3420 r90 top
R24 "YC248-JR-07-22 Ом" CAT16-J8 7190,3420 r90 top
R25 "YC248-JR-07-22 Ом" CAT16-J8 7775,3420 r90 top
R26 "YC248-JR-07-22 Ом" CAT16-J8 7920,5580 r90 top
R27 "CR0402-22 Ом-±5%" CR0402(1005) 7370,5675 r90 top
R28 "CR0402-0 Ом-±5%" CR0402(1005) 12810,8130 r90 top
R29 "YC248-JR-07-22 Ом" CAT16-J8 8485,5580 r90 top
R30 "CR0402-0 Ом-±5%" CR0402(1005) 11480,8130 r90 top
R31 "CR0402-22 Ом-±5%" CR0402(1005) 7600,5675 r90 top
R32 "CR0402-0 Ом-±5%" CR0402(1005) 9345,8130 r90 top
R33 "CR0402-0 Ом-±5%" CR0402(1005) 8165,8130 r90 top
R34 "CR0402-0 Ом-±5%" CR0402(1005) 15070,1355 r90 top
R35 "CR0402-10 кОм-±5%" CR0402(1005) 17280,8130 r90 top
R36 "CR0805-0 Ом-±5%" CR0805 8175,10125 r90 top
R37 "CR0402-10 кОм-±5%" CR0402(1005) 17050,8130 r90 top
R38 "CR0805-0 Ом-±5%" CR0805 7385,10125 r90 top
R39 "CR0402-10 кОм-±5%" CR0402(1005) 16820,8130 r90 top
R40 "YC248-JR-07-51 Ом" CAT16-J8 13635,6610 r90 top
R41 "YC248-JR-07-51 Ом" CAT16-J8 14200,6610 r90 top
R42 "YC248-JR-07-51 Ом" CAT16-J8 14745,6610 r90 top
R43 "CR0402-100 Ом-±5%" CR0402(1005) 11865,6705 r90 top
R44 "CR0402-100 Ом-±5%" CR0402(1005) 11005,6705 r90 top
R45 "CR0402-100 Ом-±5%" CR0402(1005) 10775,6705 r90 top
R46 "CR0402-100 Ом-±5%" CR0402(1005) 10325,6705 r90 top
R47 "CR0402-240 Ом-±TOLERANCE" CR0402(1005) 11235,6705 r90 top
R48 "CR0402-240 Ом-±TOLERANCE" CR0402(1005) 11465,6705 r90 top
R49 "CR0402-2 кОм-±5%" CR0402(1005) 10095,6705 r90 top
R50 "CR0402-240 Ом-±5%" CR0402(1005) 15460,8130 r90 top
R51 "CR0402-10 кОм-±5%" CR0402(1005) 16610,8130 r90 top
R52 "CR0402-240 Ом-±5%" CR0402(1005) 15020,8130 r90 top
R53 "CR0402-100 Ом-±TOLERANCE" CR0402(1005) 13020,6705 r90 top
R54 "CR0402-240 Ом-±5%" CR0402(1005) 14560,8130 r90 top
R55 "CR0402-100 кОм-±5%" CR0402(1005) 9110,6705 r90 top
R56 "CR0402-10 кОм-±5%" CR0402(1005) 8660,6705 r90 top
R57 "CR0402-100 Ом-±TOLERANCE" CR0402(1005) 7990,6705 r90 top
R58 "CR0402-10 кОм-±5%" CR0402(1005) 7760,6705 r90 top
R59 "CR0402-10 кОм-±5%" CR0402(1005) 7310,6705 r90 top
R60 "CR0402-100 Ом-±5%" CR0402(1005) 16110,8130 r90 top
R61 "CR0402-100 Ом-±5%" CR0402(1005) 15690,8130 r90 top
R62 "CR0402-0 Ом-±5%" CR0402(1005) 13040,8130 r90 top
R63 "CR0402-10 кОм-±5%" CR0402(1005) 13790,1355 r90 top
R64 "YC248-JR-07-51 Ом" CAT16-J8 12305,8795 r90 top
R65 "YC248-JR-07-51 Ом" CAT16-J8 12895,8795 r90 top
R66 "YC248-JR-07-51 Ом" CAT16-J8 13485,8795 r90 top
R67 "CR0402-100 Ом-±TOLERANCE" CR0402(1005) 11670,8890 r90 top
R68 "CR0402-240 Ом-±TOLERANCE" CR0402(1005) 10285,8890 r90 top
R69 "CR0402-100 Ом-±TOLERANCE" CR0402(1005) 10055,8890 r90 top
R70 "CR0402-240 Ом-±TOLERANCE" CR0402(1005) 10515,8890 r90 top
R71 "CR0402-2 кОм-±5%" CR0402(1005) 9845,8890 r90 top
R72 "CR0402-4.7 кОм-±5%" CR0402(1005) 9615,8890 r90 top
R73 "CR0402-100 кОм-±5%" CR0402(1005) 8900,8890 r90 top
R74 "CR0402-10 кОм-±5%" CR0402(1005) 8440,8890 r90 top
R75 "CR0402-10 кОм-±5%" CR0402(1005) 7750,8890 r90 top
R76 "CR0402-10 кОм-±5%" CR0402(1005) 7290,8890 r90 top
R77 "CR0402-4.7 кОм-±5%" CR0402(1005) 7905,9425 r90 top
R78 "CR0402-100 Ом-±5%" CR0402(1005) 18840,5945 r90 top
R79 "CR0402-200 Ом-±5%" CR0402(1005) 19070,5945 r90 top
R80 "CR0402-100 Ом-±5%" CR0402(1005) 18170,5945 r90 top
R81 "CR0402-200 Ом-±5%" CR0402(1005) 18400,5945 r90 top
R82 "CR0402-100 Ом-±5%" CR0402(1005) 17710,5945 r90 top
R83 "CR0402-200 Ом-±5%" CR0402(1005) 17940,5945 r90 top
R84 "CR0402-100 Ом-±5%" CR0402(1005) 17020,5945 r90 top
R85 "CR0402-200 Ом-±5%" CR0402(1005) 17250,5945 r90 top
R86 "CR0402-100 Ом-±5%" CR0402(1005) 16560,5945 r90 top
R87 "CR0402-200 Ом-±5%" CR0402(1005) 16790,5945 r90 top
R88 "CR0402-100 Ом-±5%" CR0402(1005) 15870,5945 r90 top
R89 "CR0402-200 Ом-±5%" CR0402(1005) 16100,5945 r90 top
R90 "CR0402-100 Ом-±5%" CR0402(1005) 15430,5945 r90 top
R91 "CR0402-200 Ом-±5%" CR0402(1005) 15660,5945 r90 top
R92 "CR0402-100 Ом-±5%" CR0402(1005) 14740,5945 r90 top
R93 "CR0402-200 Ом-±5%" CR0402(1005) 14970,5945 r90 top
R94 "CR0402-100 Ом-±5%" CR0402(1005) 14280,5945 r90 top
R95 "CR0402-200 Ом-±5%" CR0402(1005) 14510,5945 r90 top
R96 "CR0402-100 Ом-±5%" CR0402(1005) 13590,5945 r90 top
R97 "CR0402-200 Ом-±5%" CR0402(1005) 13820,5945 r90 top
R98 "CR0402-100 Ом-±5%" CR0402(1005) 13360,5945 r90 top
R99 "CR0402-200 Ом-±5%" CR0402(1005) 13130,5945 r90 top
R100 "CR0402-200 Ом-±5%" CR0402(1005) 12620,5945 r90 top
R101 "CR0402-100 Ом-±5%" CR0402(1005) 12360,5945 r90 top
R102 "CR0402-100 Ом-±5%" CR0402(1005) 12080,5945 r90 top
R103 "CR0402-200 Ом-±5%" CR0402(1005) 11800,5945 r90 top
R104 "CR0402-200 Ом-±5%" CR0402(1005) 11310,5945 r90 top
R105 "CR0402-100 Ом-±5%" CR0402(1005) 11030,5945 r90 top
R106 "CR0402-100 Ом-±5%" CR0402(1005) 10750,5945 r90 top
R107 "CR0402-200 Ом-±5%" CR0402(1005) 10470,5945 r90 top
R108 "CR0402-200 Ом-±5%" CR0402(1005) 9960,5945 r90 top
R109 "CR0402-100 Ом-±5%" CR0402(1005) 9680,5945 r90 top
R110 "CR0402-100 Ом-±5%" CR0402(1005) 9410,5945 r90 top
R111 "CR0402-200 Ом-±5%" CR0402(1005) 9160,5945 r90 top
R112 "CR0402-200 Ом-±5%" CR0402(1005) 8660,5945 r90 top
R113 "CR0402-100 Ом-±5%" CR0402(1005) 8390,5945 r90 top
R114 "CR0402-100 Ом-±5%" CR0402(1005) 8120,5945 r90 top
R115 "CR0402-200 Ом-±5%" CR0402(1005) 7850,5945 r90 top
R116 "CR0402-200 Ом-±5%" CR0402(1005) 7350,5945 r90 top
R117 "CR0402-100 Ом-±5%" CR0402(1005) 7080,5945 r90 top
R118 "CR0402-10 кОм-±5%" CR0402(1005) 16340,8130 r90 top
R119 "CR0402-240 Ом-±5%" CR0402(1005) 14060,8130 r90 top
R120 "CR0402-10 кОм-±5%" CR0402(1005) 11710,8130 r90 top
R121 "CR0805-0 Ом-±5%" CR0805 28880,10125 r90 top
R122 "CR0402-45.3 кОм-±1%" CR0402(1005) 27825,10225 r90 top
R123 "CR0805-0 Ом-±5%" CR0805 18385,10125 r90 top
R124 "CR0402-7.15 кОм-±1%" CR0402(1005) 26910,10225 r90 top
R125 "CR0805-0 Ом-±5%" CR0805 27215,10125 r90 top
R126 "CR0402-45.3 кОм-±1%" CR0402(1005) 18080,10225 r90 top
R127 "CR0402-21.0 кОм-±1%" CR0402(1005) 16770,10225 r90 top
R128 "CR0402-45.3 кОм-±1%" CR0402(1005) 24810,10225 r90 top
R129 "CR0402-3.16 кОм-±1%" CR0402(1005) 24530,10225 r90 top
R130 "CR0402-45.3 кОм-±1%" CR0402(1005) 24250,10225 r90 top
R131 "CR0402-10 кОм-±5%" CR0402(1005) 23990,10225 r90 top
R132 "CR0402-14.3кОм-±1%" CR0402(1005) 23710,10225 r90 top
R133 "CR0402-130 Ом-±1%" CR0402(1005) 23430,10225 r90 top
R134 "CR0402-0 Ом-±5%" CR0402(1005) 22080,10225 r90 top
R135 "CR0402-0 Ом-±5%" CR0402(1005) 22360,10225 r90 top
R136 "CR0402-0 Ом-±5%" CR0402(1005) 21010,10225 r90 top
R137 "CR0402-1.65 кОм-±1%" CR0402(1005) 20730,10225 r90 top
R138 "CR0402-0 Ом-±5%" CR0402(1005) 12530,8130 r90 top
R139 "CR0402-0 Ом-±5%" CR0402(1005) 20450,10225 r90 top
R140 "CR0402-12.1 кОм-±1%" CR0402(1005) 20170,10225 r90 top
R141 "CR0402-0 Ом-±5%" CR0402(1005) 19630,10225 r90 top
R142 "CR0402-10 кОм-±1%" CR0402(1005) 19120,10225 r90 top
R143 "CR0402-0 Ом-±5%" CR0402(1005) 14020,1355 r90 top
R144 "CR0402-22 Ом-±5%" CR0402(1005) 21570,10225 r90 top
R145 "CR0402-3.16 кОм-±1%" CR0402(1005) 10890,10225 r90 top
R146 "CR0402-0 Ом-±5%" CR0402(1005) 12740,1355 r90 top
R147 "CR0402-0 Ом-±5%" CR0402(1005) 9210,1355 r90 top
R148 "CR0402-10 кОм-±5%" CR0402(1005) 23150,10225 r90 top
R149 "CR0402-0 Ом-±5%" CR0402(1005) 22640,10225 r90 top
R150 "CR0402-0 Ом-±5%" CR0402(1005) 17050,10225 r90 top
R151 "CR0402-0 Ом-±5%" CR0402(1005) 9490,1355 r90 top
R152 "CR0402-0 Ом-±5%" CR0402(1005) 21290,10225 r90 top
R153 "CR0402-0 Ом-±5%" CR0402(1005) 19890,10225 r90 top
R154 "CR0805-0 Ом-±5%" CR0805 16315,10125 r90 top
R155 "CR0402-45.3 кОм-±1%" CR0402(1005) 15705,10225 r90 top
R156 "CR0805-0 Ом-±5%" CR0805 15220,10125 r90 top
R157 "CR0402-64.9 кОм-±1%" CR0402(1005) 13430,10225 r90 top
R158 "CR0805-0 Ом-±5%" CR0805 13175,10125 r90 top
R159 "CR0402-2.00 кОм-±1%" CR0402(1005) 7570,8130 r90 top
R160 "CR0402-45.3 кОм-±1%" CR0402(1005) 10610,10225 r90 top
R161 "CR0402-45.3 кОм-±1%" CR0402(1005) 10350,10225 r90 top
R162 "CR0402-14.3кОм-±1%" CR0402(1005) 10070,10225 r90 top
R163 "CR0402-0 Ом-±5%" CR0402(1005) 9790,10225 r90 top
R164 "CR0402-130 Ом-±1%" CR0402(1005) 9510,10225 r90 top
R165 "CR0402-1.65 кОм-±1%" CR0402(1005) 8660,10225 r90 top
R166 "CR0402-78.7 кОм-±1%" CR0402(1005) 8380,10225 r90 top
R167 "CR0402-52.3 кОм-±1%" CR0402(1005) 7590,10225 r90 top
R168 "CR0402-0 Ом-±5%" CR0402(1005) 7080,10225 r90 top
R174 "CR0402-10 кОм-±5%" CR0402(1005) 12460,1355 r90 top
R175 "CR0402-DNP-±5%" CR0402(1005) 11730,1355 r90 top
R176 "CR0402-4.7 кОм-±5%" CR0402(1005) 13550,8130 r90 top
R177 "CR0402-4.7 кОм-±5%" CR0402(1005) 13270,8130 r90 top
R178 "CR0402-10 кОм-±5%" CR0402(1005) 12250,8130 r90 top
R179 "CR0402-4.7 кОм-±5%" CR0402(1005) 14620,1355 r90 top
R180 "CR0402-1 кОм-±5%" CR0402(1005) 12010,1355 r90 top
R181 "CR0402-10 кОм-±5%" CR0402(1005) 11990,8130 r90 top
R182 "CR0402-10 кОм-±5%" CR0402(1005) 15815,1355 r90 top
R183 "CR0402-10 кОм-±5%" CR0402(1005) 8855,8130 r90 top
R184 "CR0402-4.7 кОм-±5%" CR0402(1005) 13240,1355 r90 top
R190 "CR0402-4.7 кОм-±5%" CR0402(1005) 9815,6705 r90 top
R191 "CR0402-22 Ом-±5%" CR0402(1005) 7310,8130 r90 top
R192 "CR0402-4.7 кОм-±5%" CR0402(1005) 8705,9425 r90 top
R193 "CR0402-4.7 кОм-±5%" CR0402(1005) 8425,9425 r90 top
R194 "CR0402-22 Ом-±5%" CR0402(1005) 7310,9425 r90 top
R204 "CR0402-4.7 кОм-±5%" CR0402(1005) 8135,9425 r90 top
RP_BL "Comment" Reper-Normal 7115,10510 r90 top
RP_BR "Comment" Reper-Normal 7465,10510 r90 top
RP_LT "Comment" Reper-Normal 7815,10510 r90 top
RP_RT "Comment" Reper-Normal 8165,10510 r90 top
U1 "MT41K256M16HA-125 AIT" MICT-HA-96 12285,6465 r0 top
U2 "MT41K256M16HA-125 AIT" MICT-HA-96 12745,6465 r0 top
U3 "MT41K256M16HA-125 AIT" MICT-HA-96 10935,8650 r0 top
U4 "MT41K256M16HA-125 AIT" MICT-HA-96 11395,8650 r0 top
X1 "FX10A-168S-SV" FX10A-168S-SV 9320,2575 r90 top
X2 "FX10A-168S-SV" FX10A-168S-SV 8890,4735 r90 top